# Altium PCB LAB_B3_209_V1.PcbDoc (part 1 of 4)
Units mm, origin at the board's own origin, x right, y up, seen from the top; angles counter-clockwise.
Board outline 104.65 x 97.92 mm, 6 copper layers (L1-SIG, L2-GND, L3-VCC, L4-SIG, L5-GND, L6-SIG), stack 0.63 mm thick; 372 components, 284 nets, 1235 pads, 998 vias.
Unrouted connection lines stored in the file: 2.
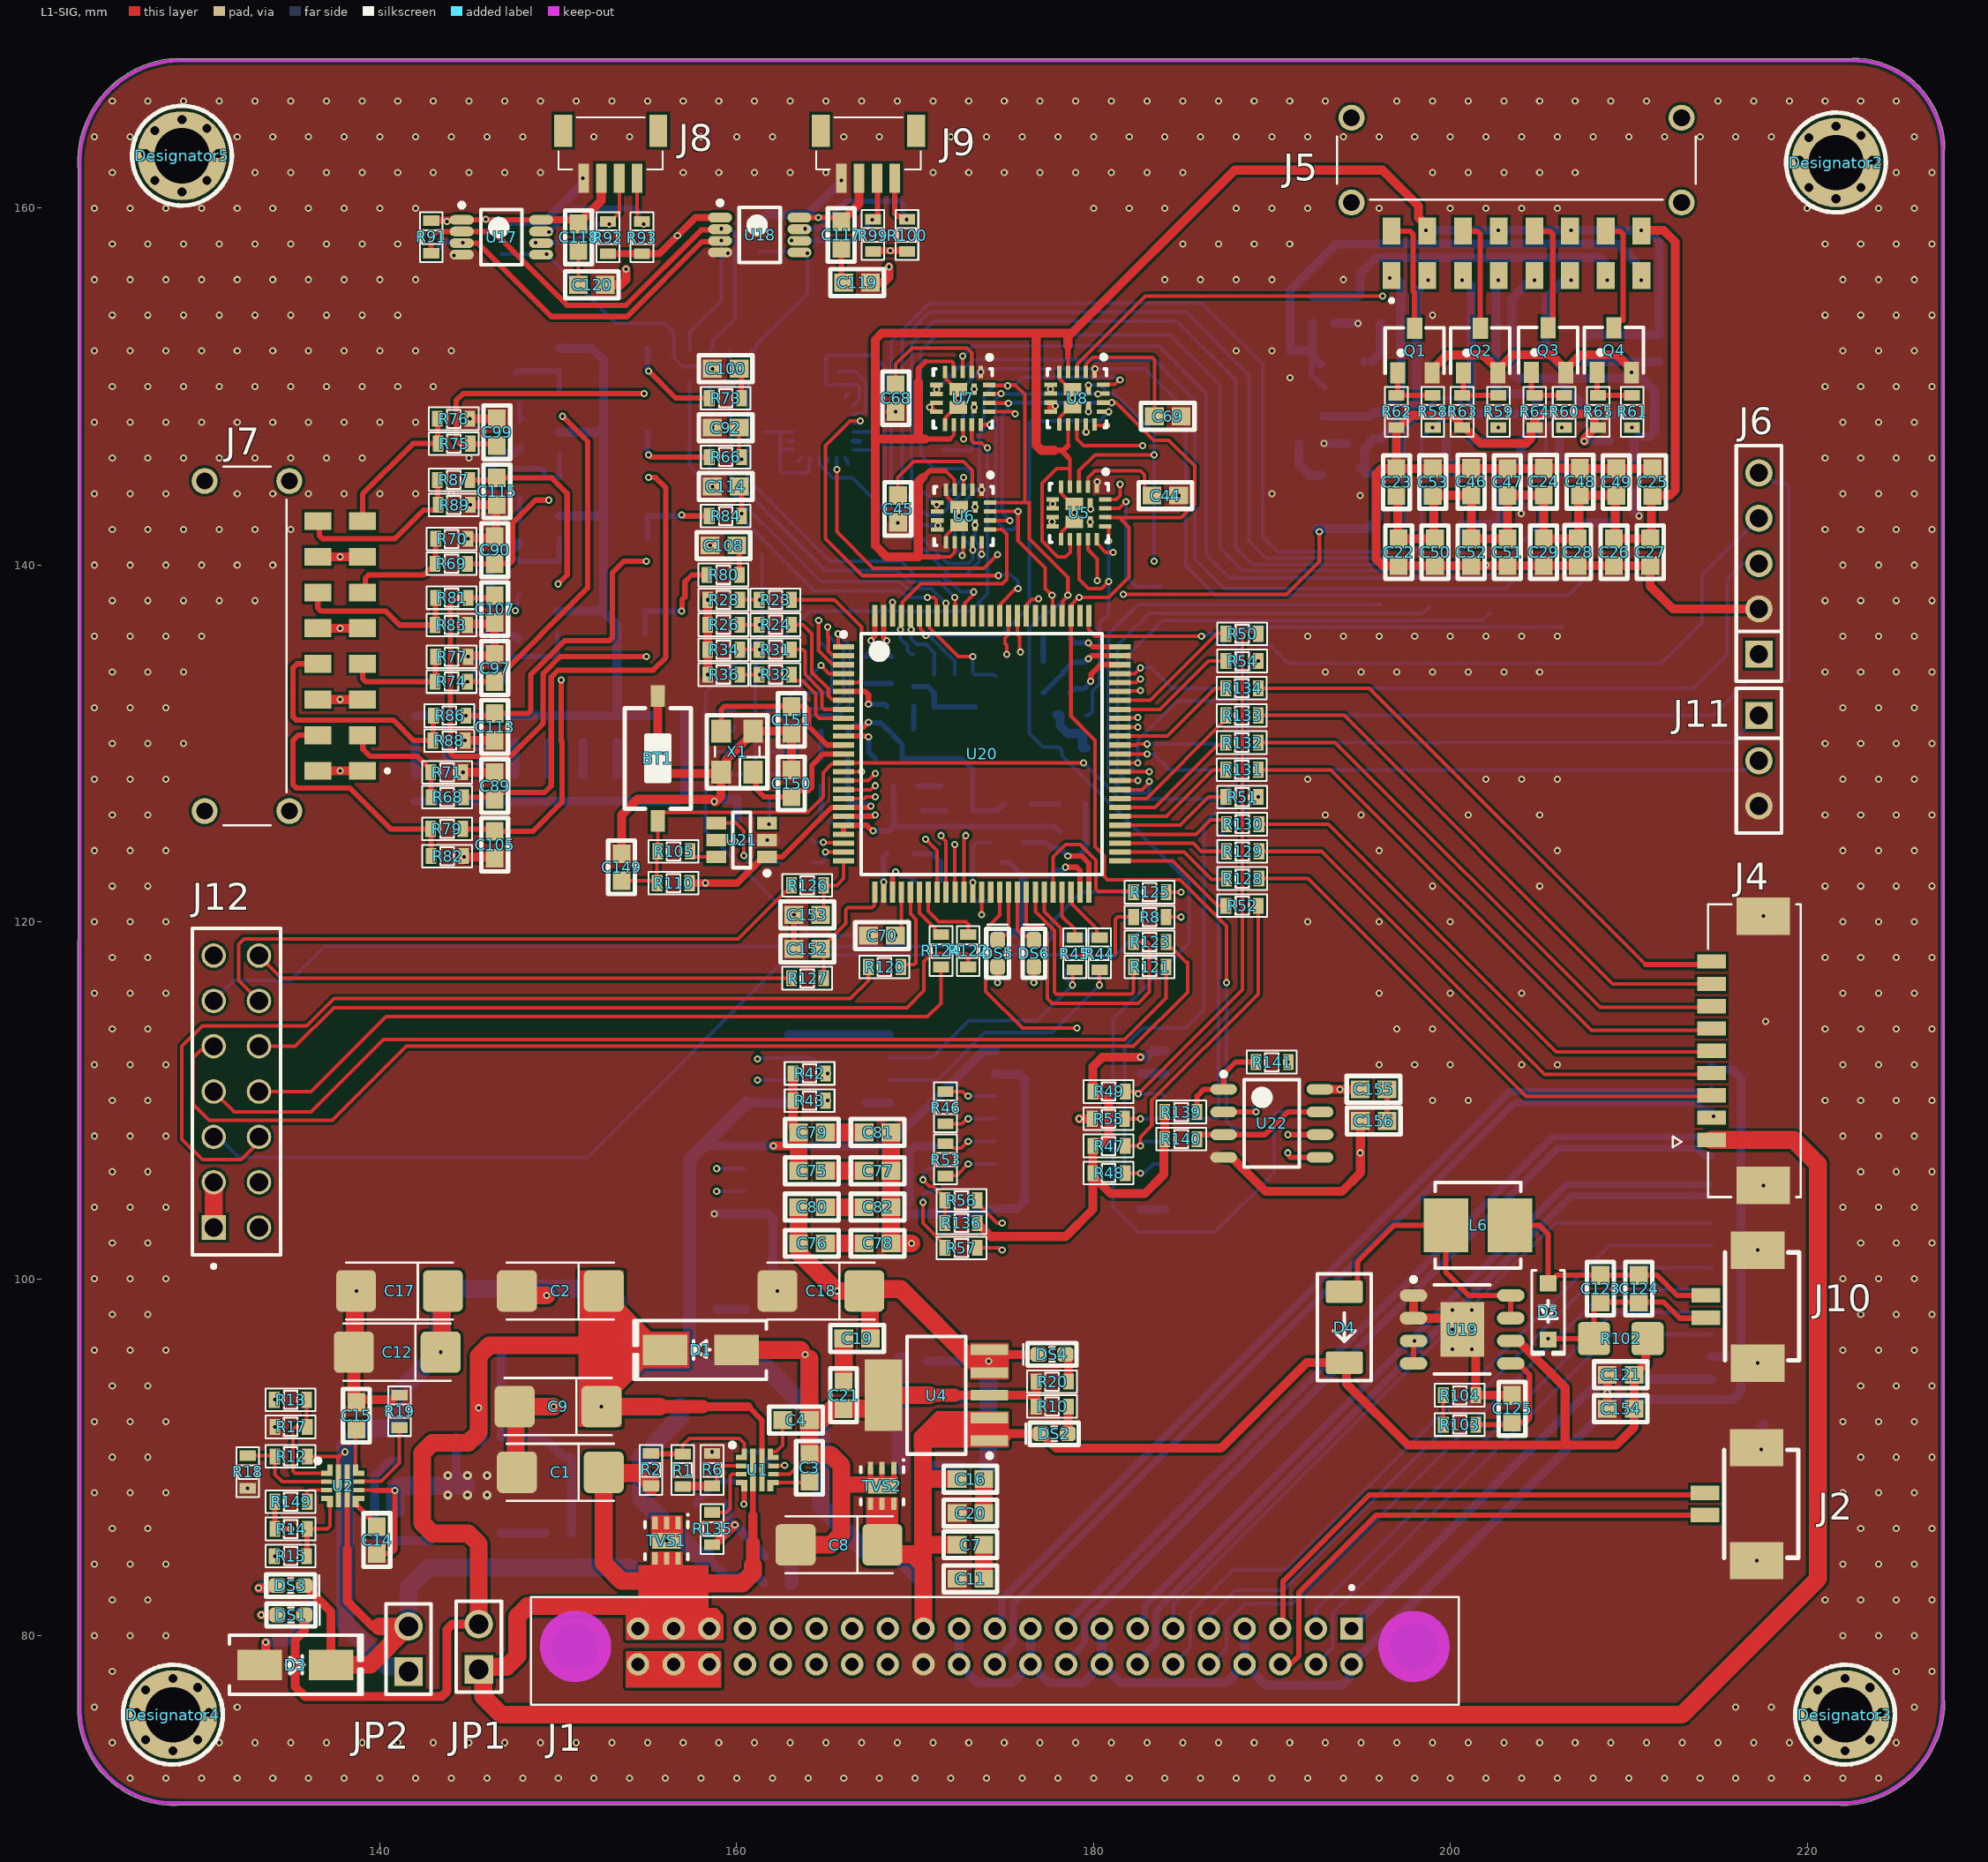
[diagram p0: L1-SIG view]
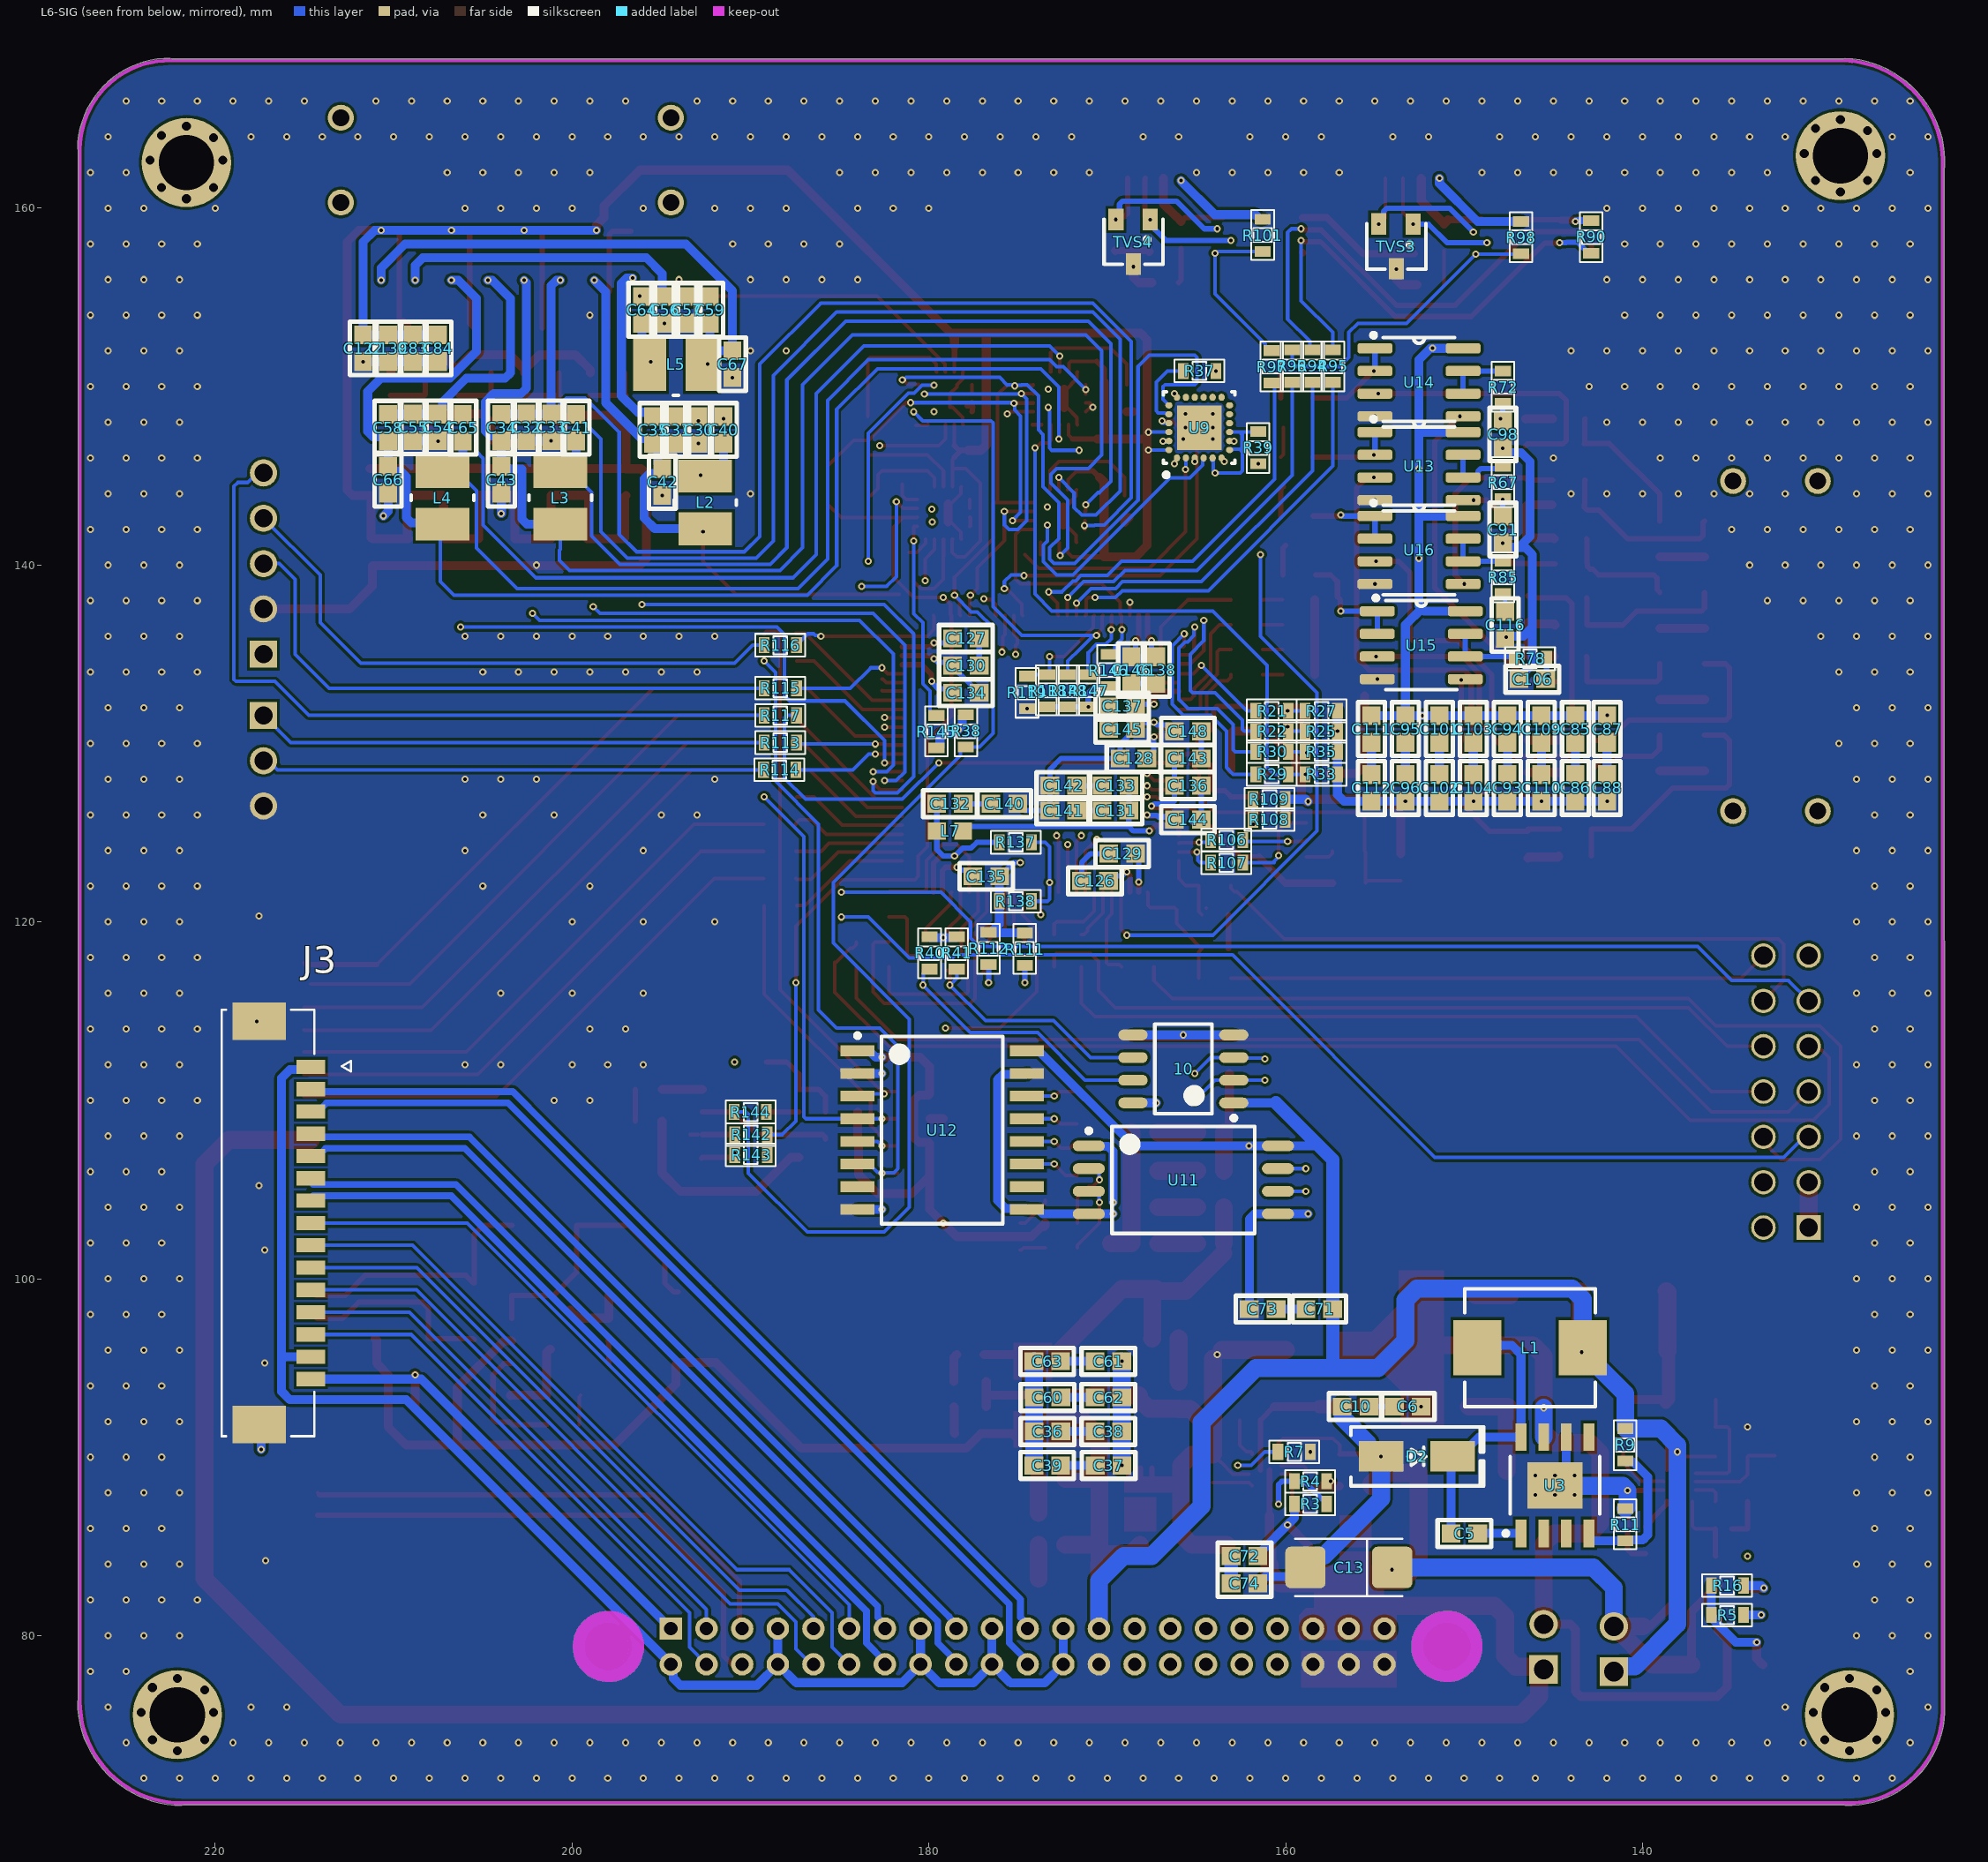
[diagram p1: L6-SIG view, seen from below]
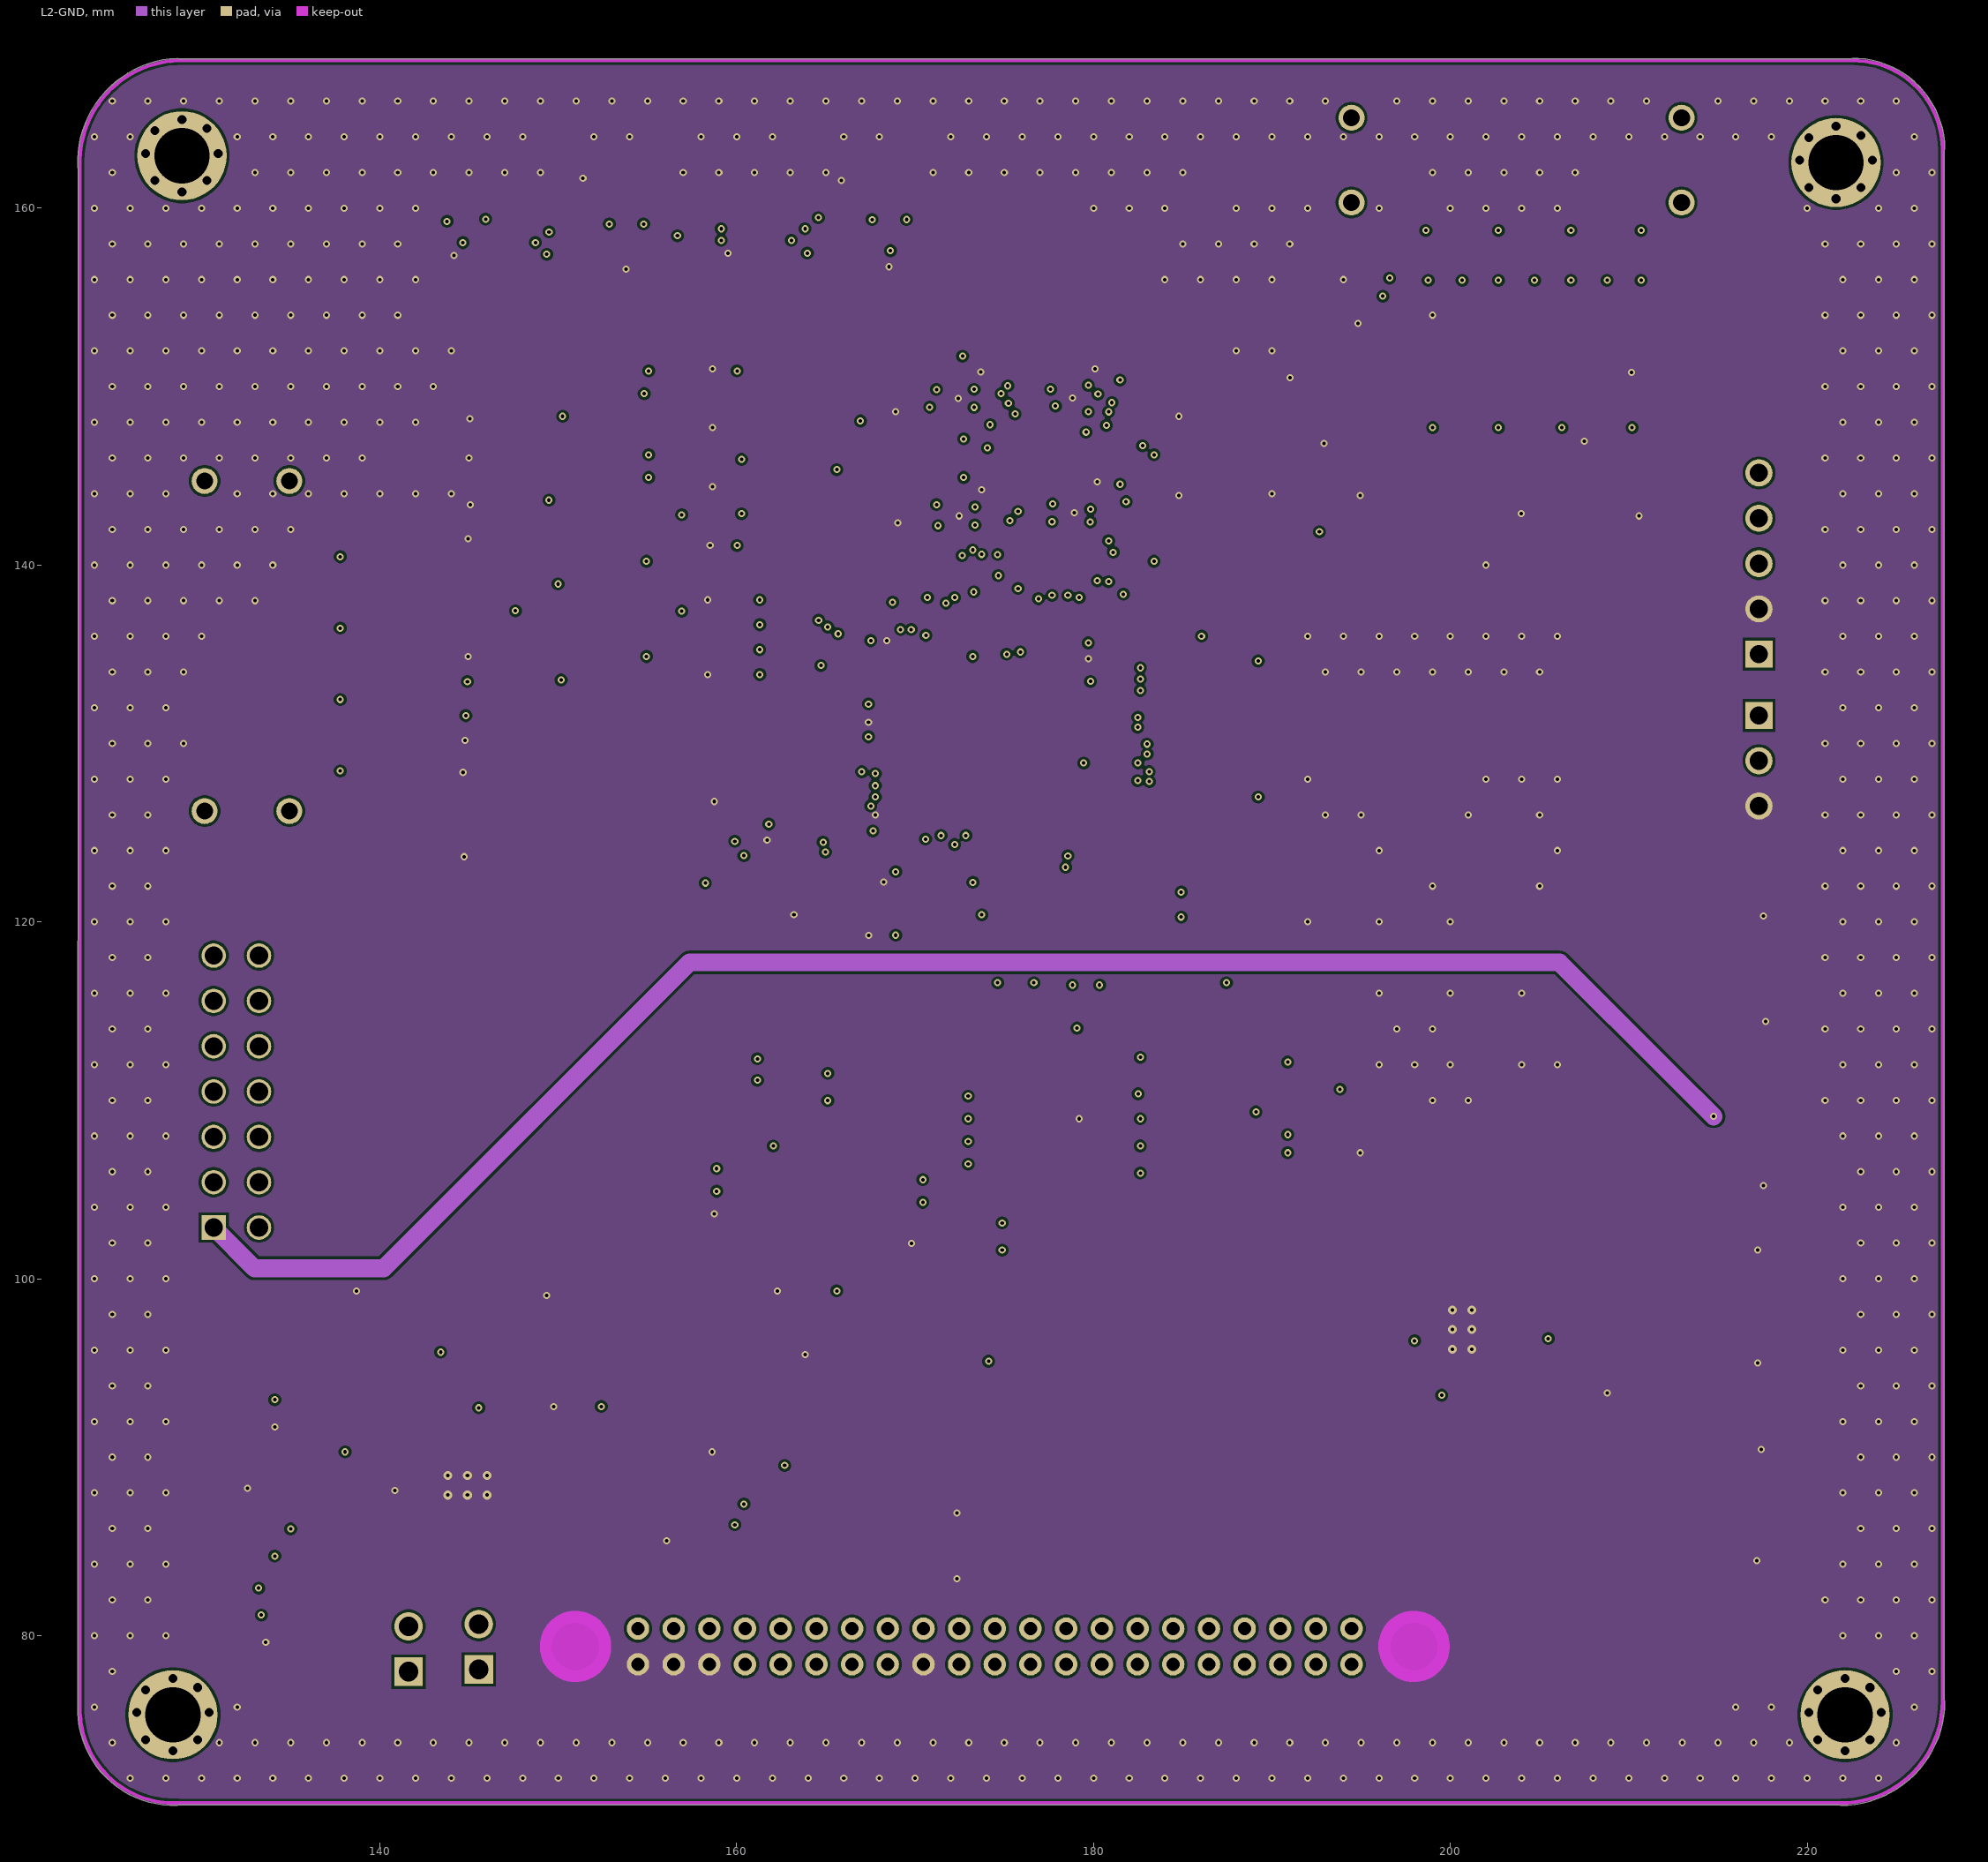
[diagram p2: L2-GND]
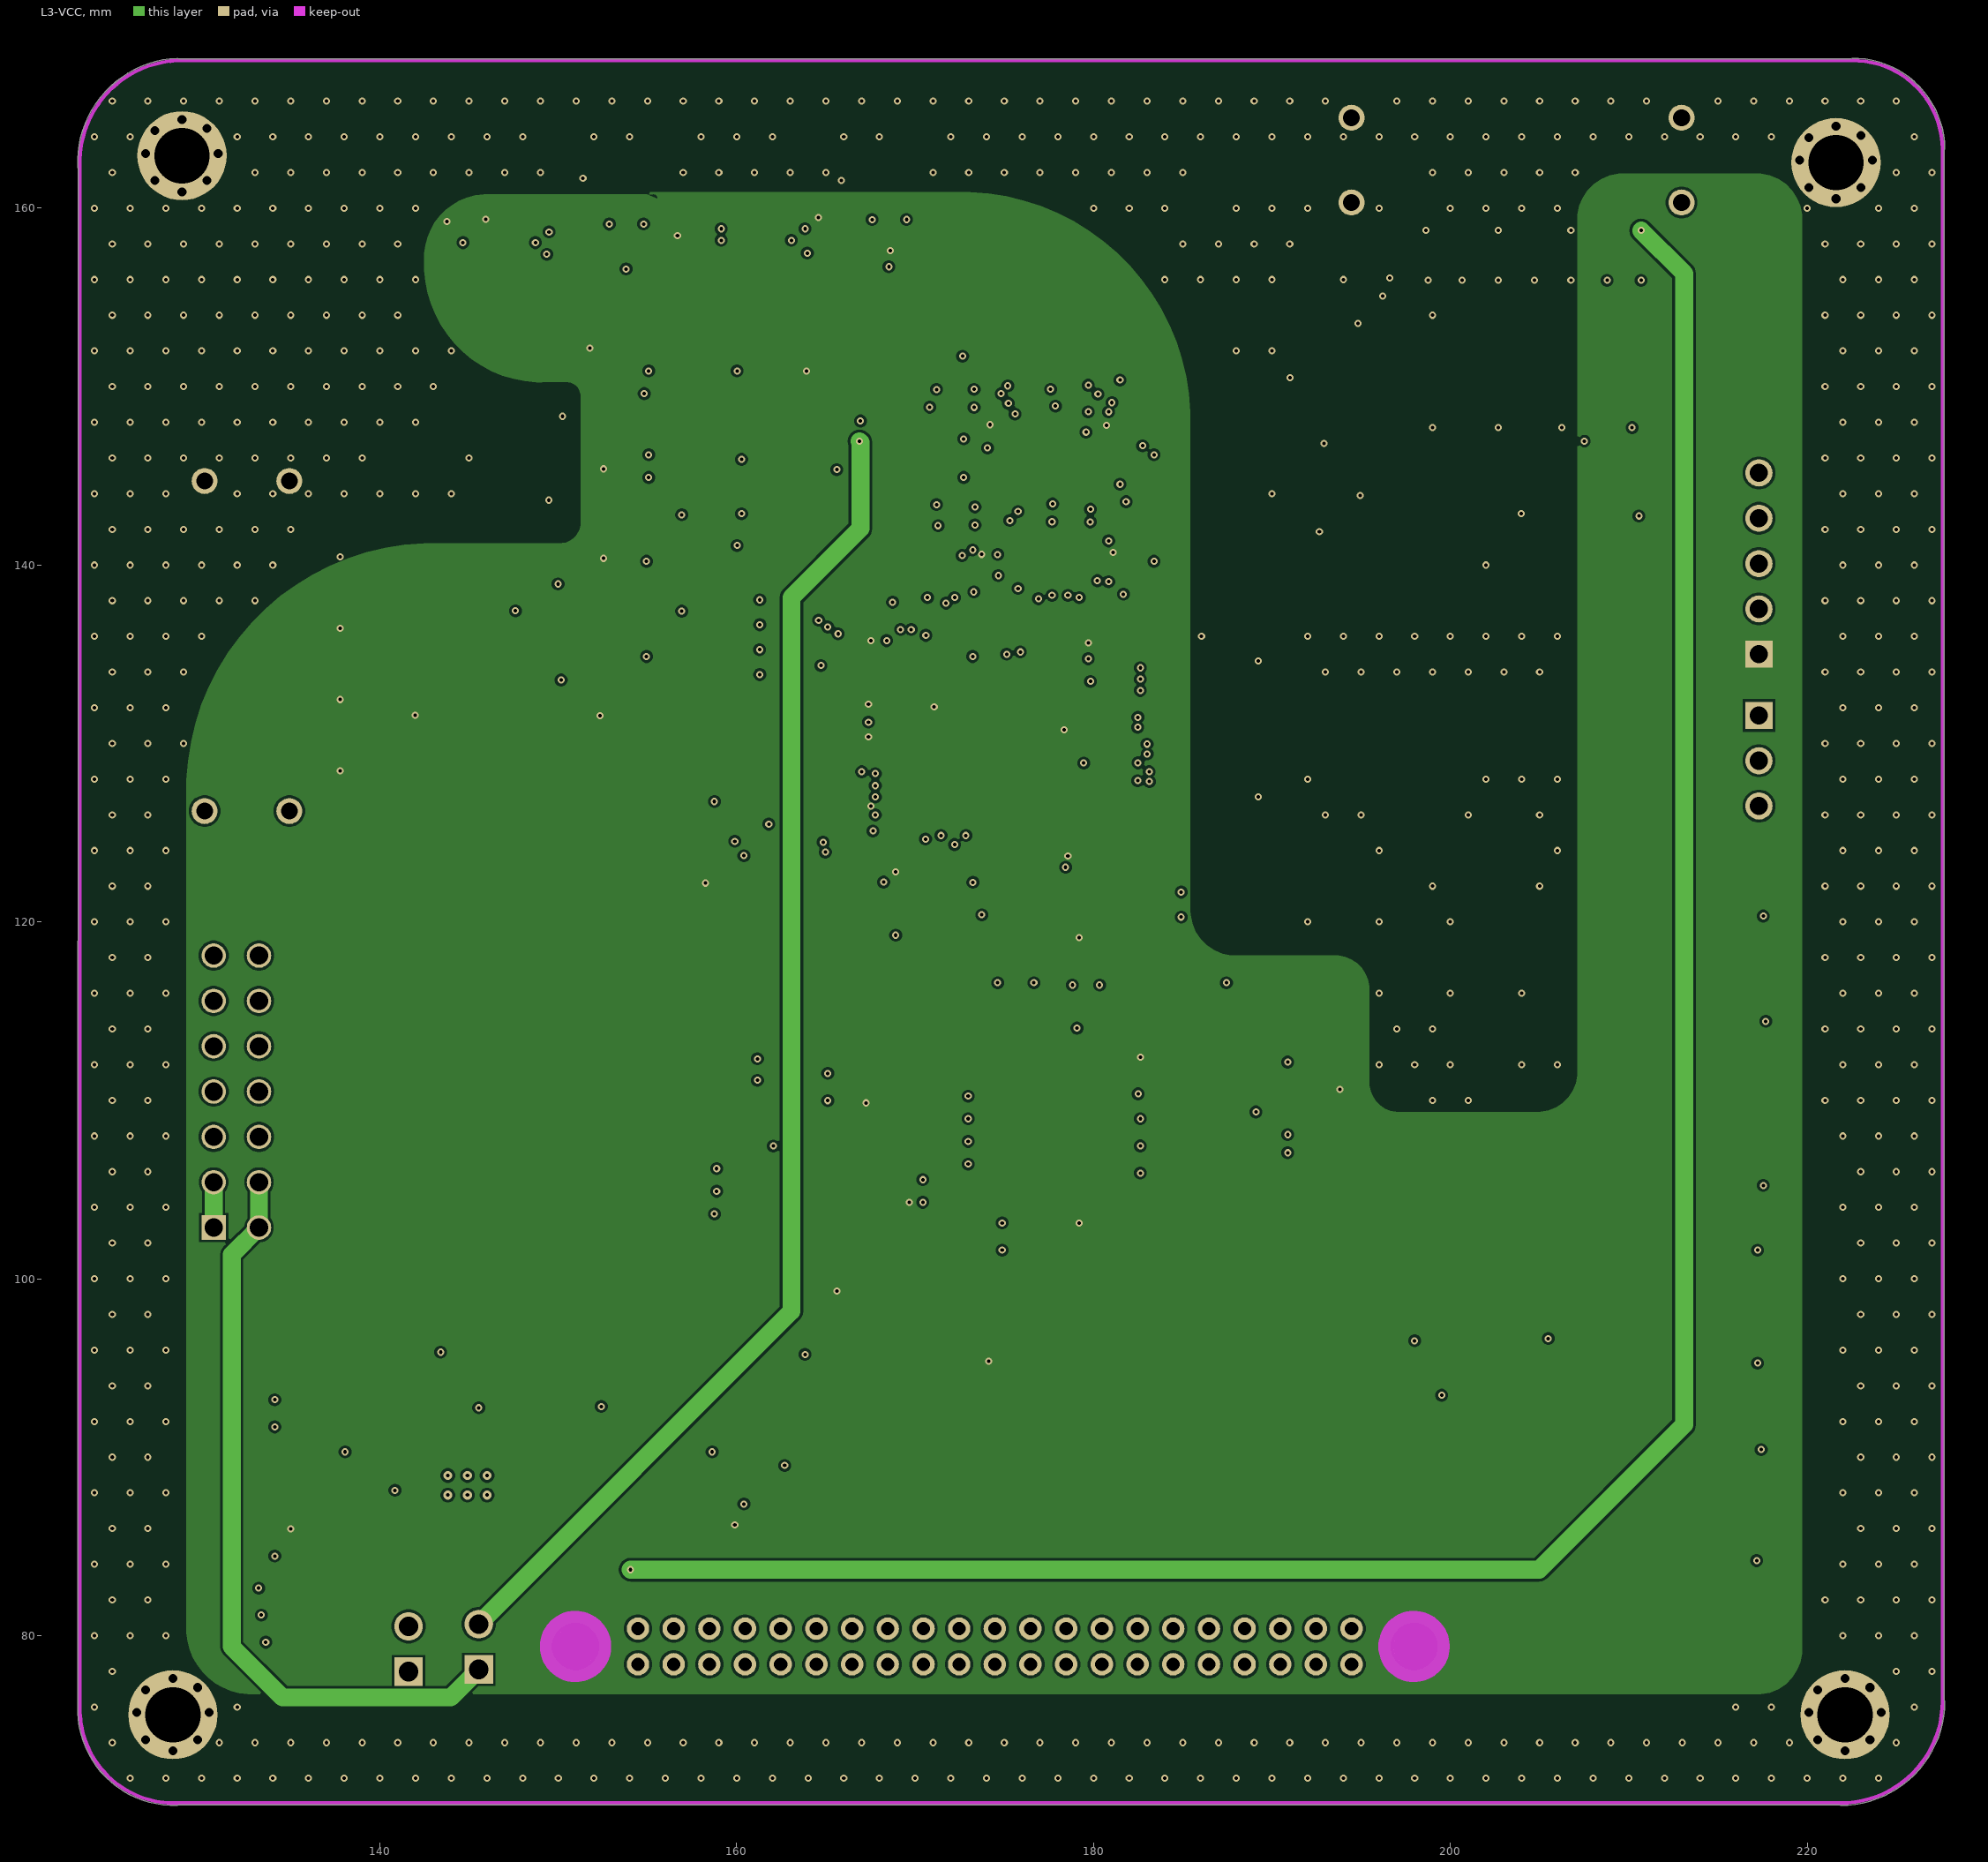
[diagram p3: L3-VCC]